# Altium PCB balenaFin_v1_x_x.PcbDoc (part 5 of 7)
Units mm, origin at the board's own origin, x right, y up, seen from the top; angles counter-clockwise.
Board outline 90.03 x 90.03 mm, 8 copper layers (TOP, GND, INT1, INT2, INT3, INT4, POWER, BOTTOM), stack 1.496 mm thick; 502 components, 409 nets, 2324 pads, 1048 vias.
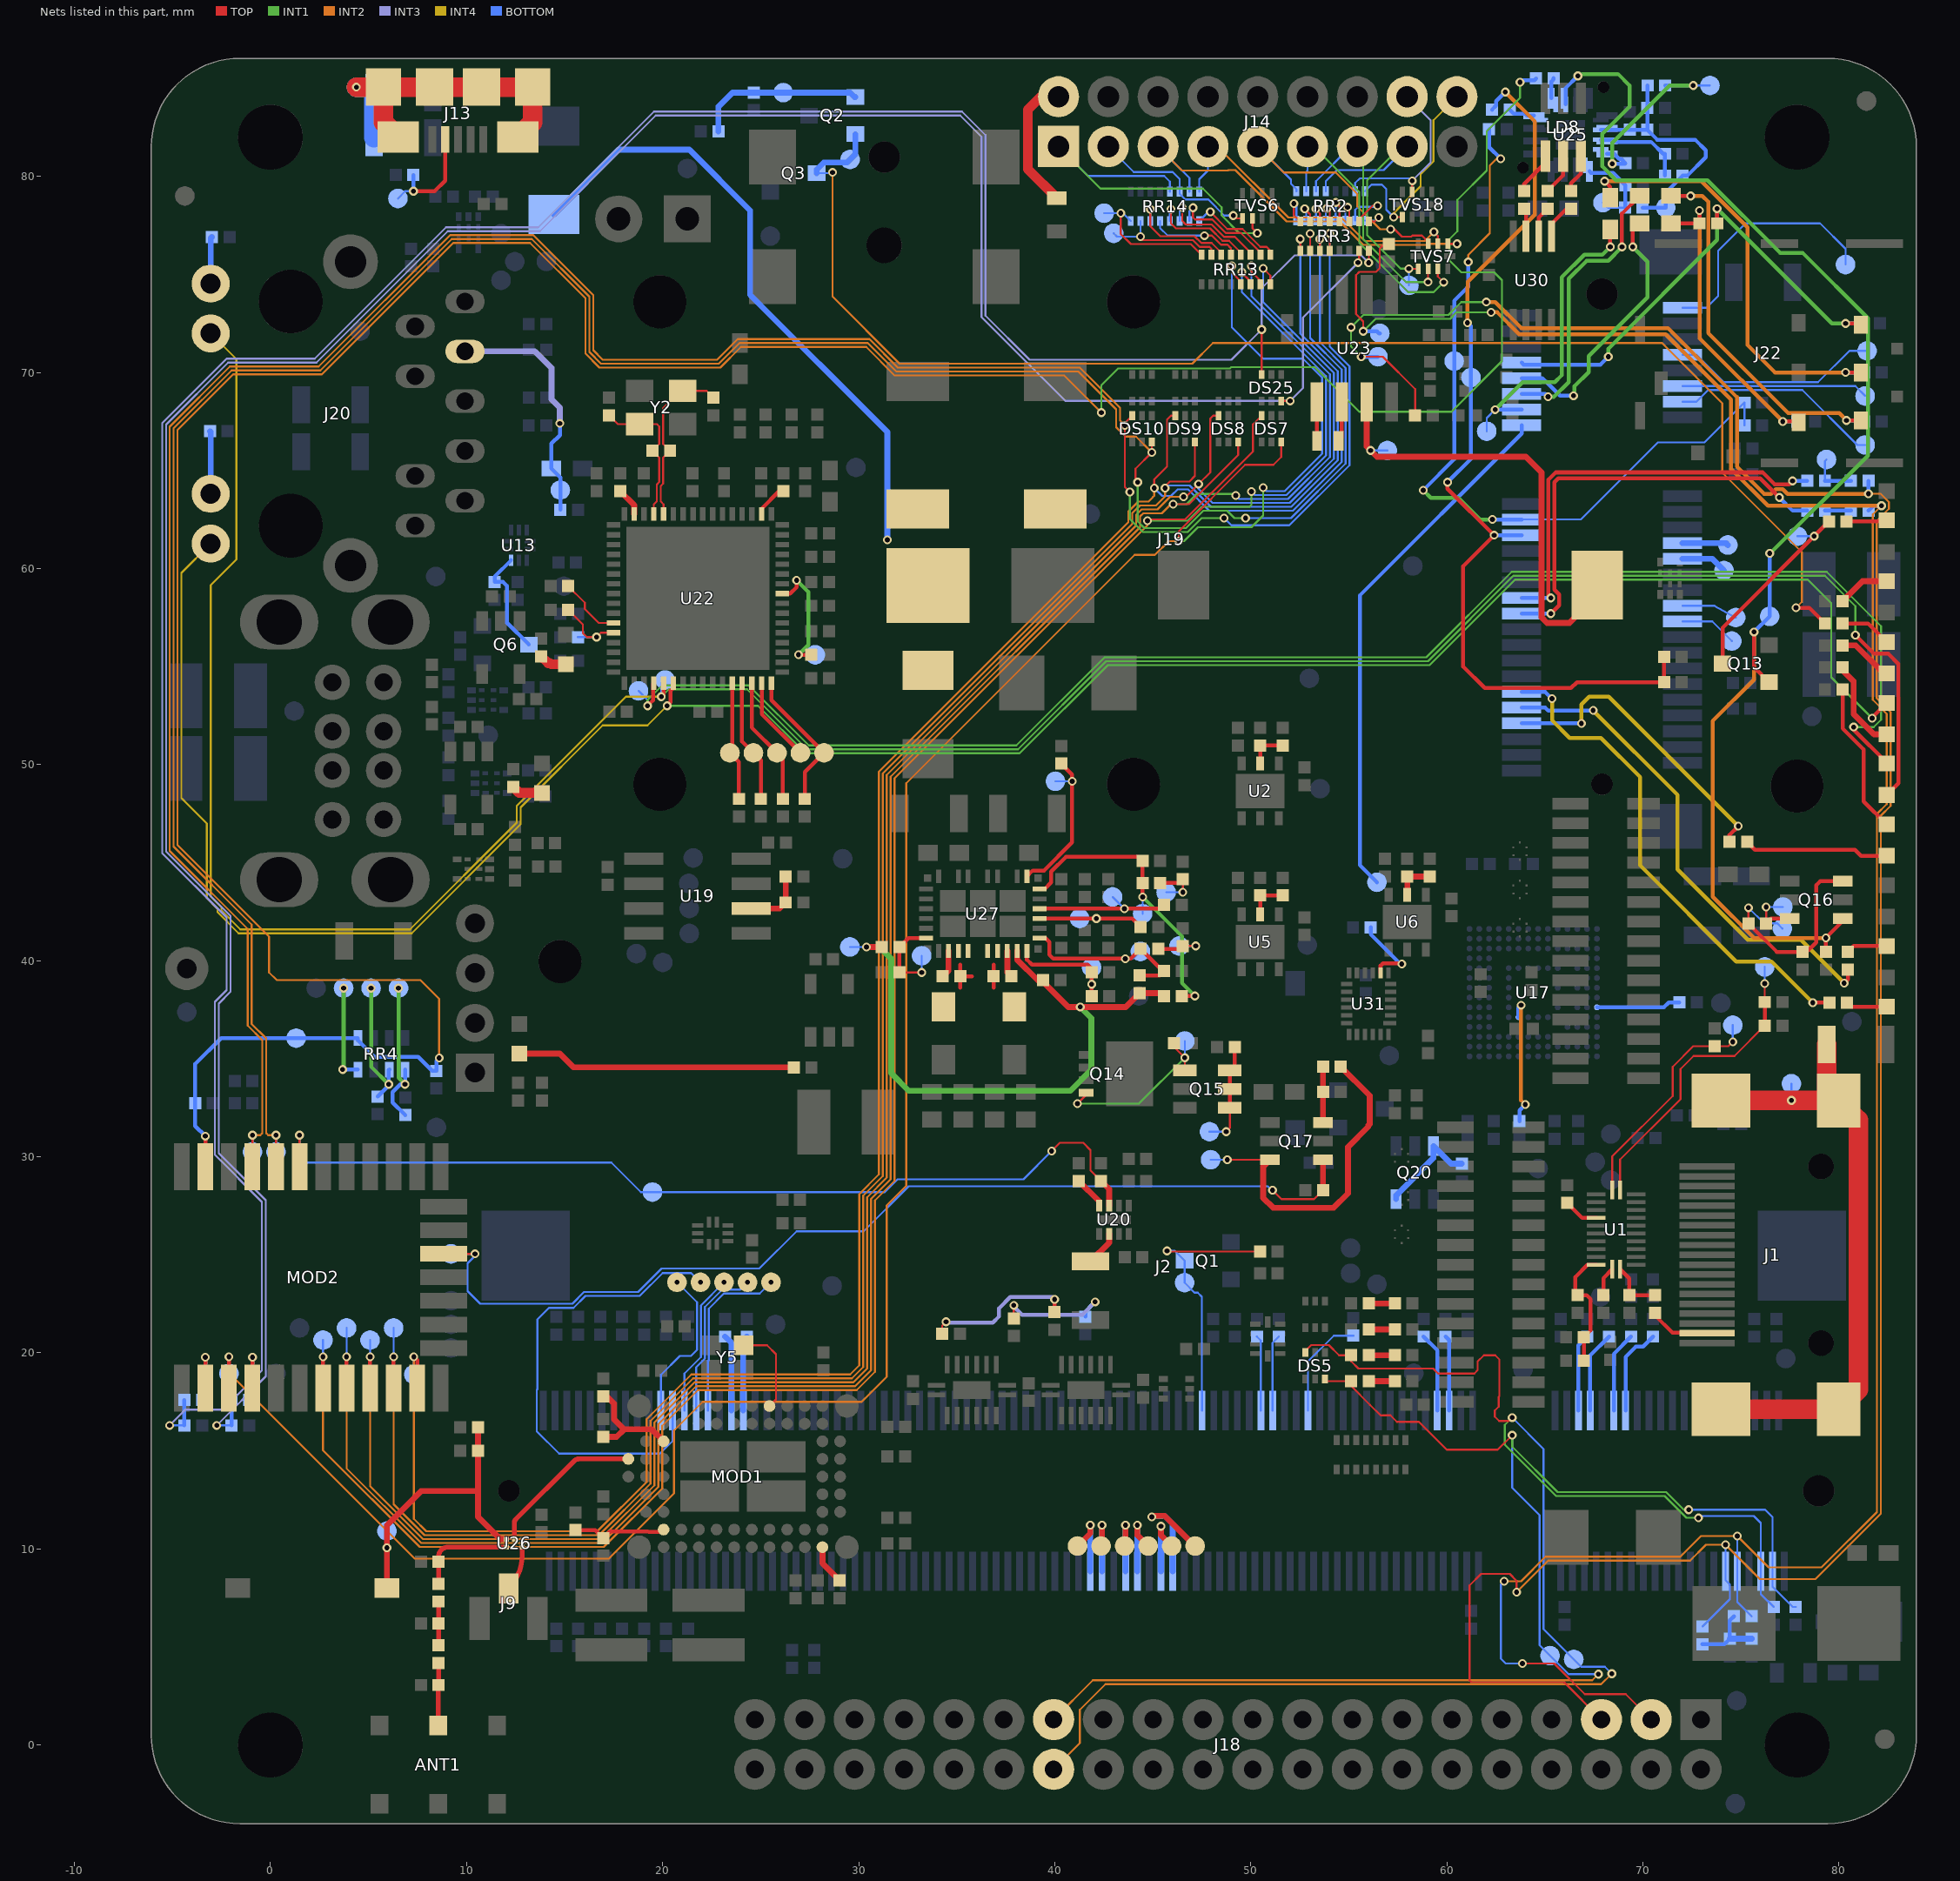
[diagram p11: the nets of this part, all layers, seen from the top]

## Via types
v1: diameter 0.45, hole 0.254, TOP to BOTTOM, tented both sides, 1048 vias

## Nets (pads, with @x,y where several pads share a name; then routed paths per layer and width w, separated by ;. In a path a pad name is that pad's centre, name@x,y a point inside that pad or via, vN(x,y) a via of type N, cw(c..) or ccw(c..) an arc to the next point about the centre after c; other vN are vias at no path point) (continued)
I2C0_SCL: DS5.6 J2.5 J18.28 pad.1@66.469,4.369 R4.1 R86.2 | length 83.9
  TOP w0.1: DS5.6@52.78,20.015 52.78,20.102 53.078,20.4 53.982,20.4 54.502,19.88 R86.2@55.12,19.88 55.12,19.57 55.49,19.2 59.3,19.2 59.55,18.95 61.4,18.95 61.57,19.12 61.57,19.56 61.885,19.875 62.46,19.875 62.68,19.655 62.68,17.798 62.637,17.755 62.637,17.253 62.444,17.06 62.444,16.749 62.664,16.529 63.159,16.529 v1(63.33,16.7)
  INT1 w0.1: v1(63.33,16.7) 62.955,16.325 62.955,15.312 65.567,12.7 71.1,12.7 72.215,11.585 v1(72.83,11.585)
  INT2 w0.1: J18.28@39.94,-1.24 41.28,0.1 41.28,1.797 42.583,3.1 67.87,3.1 v1(68.41,3.64)
  BOTTOM w0.1: v1(63.33,16.7) 64.93,15.1 64.93,5.907 pad.1@66.469,4.369 66.847,3.99 68.06,3.99 v1(68.41,3.64) ; v1(72.83,11.585) 72.92,11.675 75.655,11.675 76.01,11.32 J2.5@76.01,8.86 76.01,7.7 R4.1@76.67,7.04
I2C0_SDA: DS5.3 J2.3 J18.27 pad.1@65.26,4.56 R5.1 R88.2 | length 75.6
  TOP w0.1: DS5.3@53.78,18.665 53.885,18.56 R88.2@55.12,18.56 55.12,18.31 56.08,17.35 56.62,16.81 57.123,16.81 57.453,16.48 58.567,16.48 59.987,15.06 62.59,15.06 v1(63.33,15.8)
  INT1 w0.1: v1(63.33,15.8) 63.33,15.22 65.65,12.9 71.183,12.9 72.082,12 v1(72.33,12)
  INT2 w0.1: J18.27@39.94,1.3 41.94,3.3 67.41,3.3 v1(67.725,3.615)
  BOTTOM w0.1: v1(63.33,15.8) 63.33,13.124 64.73,11.724 64.73,5.09 pad.1@65.26,4.56 66.205,3.615 v1(67.725,3.615) ; v1(72.33,12) 76.23,12 76.61,11.62 J2.3@76.61,8.86 76.61,8.073 77.643,7.04 R5.1@77.79,7.04
I2C1_SCL: J2.11 J18.5 pad.1@56.482,70.8 R1.1 R143.2 R284.2 | length 137.1
  TOP w0.1: v1(55.63,70.8) 56.73,70.8 58.38,69.15 R284.2@58.38,67.8 ; v1(63.555,7.8) 63.555,8.375 63.205,8.725 61.743,8.725 61.16,8.142 61.16,3.3 61.26,3.2 65.98,3.2 J18.5@67.88,1.3
  INT1 w0.1: v1(55.63,70.8) 55.108,71.322 v1(55.108,72.3) 55.741,72.933 60.081,72.933 60.737,73.59 v1(62.005,73.59)
  INT2 w0.1: v1(63.555,7.8) 65.155,9.4 72.4,9.4 73.212,10.212 v1(74.21,10.212) 75.962,8.46 78.79,8.46 82.13,11.8 82.13,11.966 82.13,47.4 82.63,47.9 82.63,52.672 81.915,53.386 81.915,62.423 82.537,63.045 82.537,63.393 82.122,63.808 v1(81.5,63.808)
  INT2 w0.2: v1(62.005,73.59) 62.464,73.59 63.804,72.25 71.28,72.25 74.79,68.74 74.79,65.201 76.183,63.808 76.537,63.808 76.779,64.05 77.131,64.05 77.373,63.808 v1(81.5,63.808)
  BOTTOM w0.1: R1.1@73.03,6.04 74.43,7.44 74.43,8.183 74.21,8.403 J2.11@74.21,8.86 v1(74.21,10.212)
  BOTTOM w0.2: v1(55.63,70.8) pad.1@56.482,70.8 ; v1(81.5,63.808) R143.2@81.5,64.47
I2C1_SDA: J2.9 J18.3 pad.1@56.576,71.994 R3.1 R145.2 R285.1 | length 131.7
  TOP w0.1: v1(55.73,72.1) 55.73,72.6 55.36,72.97 55.36,74.958 55.53,75.128 56.388,75.128 56.57,75.31 56.57,76.31 56.81,76.55 R285.1@57.03,76.55 ; v1(63.85,4.16) 65.47,4.16 67.03,2.6 69.12,2.6 J18.3@70.42,1.3
  INT1 w0.1: v1(55.73,72.1) 56.364,72.733 60.164,72.733 60.495,73.065 v1(62.253,73.065)
  INT2 w0.1: v1(62.915,8.35) 63.78,8.35 65.03,9.6 71.9,9.6 72.96,10.66 v1(74.81,10.66) 76.41,9.06 79.107,9.06 81.93,11.883 81.93,47.483 82.43,47.983 82.43,52.589 81.715,53.304 81.715,62.753 v1(82.162,63.2)
  INT2 w0.2: v1(62.253,73.065) 62.565,73.065 63.68,71.95 71.156,71.95 74.49,68.615 74.49,65.076 76.367,63.2 v1(82.162,63.2)
  BOTTOM w0.1: v1(62.915,8.35) 62.747,8.183 62.747,4.408 62.995,4.16 v1(63.85,4.16) ; v1(74.81,10.66) J2.9@74.81,8.86 74.81,7.3 R3.1@75.54,6.57
  BOTTOM w0.2: v1(55.73,72.1) 56.424,72.1 56.53,71.994 pad.1@56.576,71.994 ; R145.2@81.5,62.95 81.75,63.2 v1(82.162,63.2)
JTCK: J2.180 TP63.1 | length 8.1
  BOTTOM w0.1: J2.180@19.91,17.06 19.91,18.88 20.875,19.845 21.445,19.845 21.75,20.15 21.75,22.58 v1(20.73,23.6)
JTDI: J2.174 TP60.1 | length 8.2
  BOTTOM w0.1: J2.174@21.71,17.06 21.71,19.267 22.15,19.707 22.15,22.337 23.038,23.225 23.955,23.225 v1(24.33,23.6)
JTDO: J2.178 TP62.1 | length 24.4
  BOTTOM w0.1: J2.178@20.51,17.06 20.51,15.51 19.86,14.86 14.723,14.86 13.585,15.998 13.585,18.122 13.61,18.147 13.61,21.702 14.198,22.29 15.46,22.29 16.07,22.9 18.83,22.9 20,24.07 21.46,24.07 v1(21.93,23.6)
JTMS: J2.176 TP61.1 | length 7.4
  BOTTOM w0.1: J2.176@21.11,17.06 21.11,18.95 21.95,19.79 21.95,22.42 v1(23.13,23.6)
LED-B: R123.2 U30.3 | length 1.4
  TOP w0.2: R123.2@63.93,78.35 64.03,78.25 U30.3@64.03,76.95
LED-G: R121.2 U30.2 | length 1.6
  TOP w0.2: U30.2@64.68,76.95 64.68,77.9 R121.2@65.13,78.35
LED-R: R119.2 U30.1 | length 1.9
  TOP w0.2: U30.1@65.33,76.95 65.33,77.57 66.11,78.35 R119.2@66.33,78.35
LED_LINK: J20.12 LD12.1 pad.1@20.125,54.316 U22.21 | length 138.5
  TOP w0.2: v1(19.93,53.463) 20.05,53.583 U22.21@20.05,54.16 ; v1(80.83,56.6) 81.78,55.65 82.513,55.65 83.03,55.133 83.03,49.05 LD12.1@82.43,48.45
  INT1 w0.1: v1(19.93,53.463) 20.313,53.846 24.301,53.846 27.369,50.778 38.125,50.778 42.622,55.275 59.032,55.275 63.387,59.63 79.283,59.63 80.83,58.083 v1(80.83,56.6)
  INT4 w0.1: J20.12@-3.05,71.99 -1.74,70.68 -1.74,60.46 -3.05,59.15 -3.05,43.271 -2.506,42.727 -2.506,42.566 -1.54,41.6 7.117,41.6 12.56,47.043 12.56,47.9 18.123,53.463 v1(19.93,53.463)
  BOTTOM w0.1: v1(19.93,53.463) 19.93,54.121 pad.1@20.125,54.316
LED_SPEED: J20.14 LD13.1 U22.22 | length 122.5
  TOP w0.2: v1(20.23,53) 20.41,53.18 20.41,53.78 20.55,53.92 U22.22@20.55,54.16 ; v1(81.685,52.365) 81.685,52.405 LD13.1@82.43,53.15
  INT1 w0.1: v1(20.23,53) 24.864,53 27.286,50.578 38.208,50.578 42.705,55.075 59.115,55.075 63.47,59.43 78.4,59.43 79.6,58.23 79.6,54.45 v1(81.685,52.365)
  INT4 w0.1: J20.14@-3.05,61.27 -4.54,59.78 -4.54,48.29 -3.25,47 -3.25,43.188 -2.706,42.644 -2.706,42.483 -1.623,41.4 7.2,41.4 12.76,46.96 12.76,47.817 16.943,52 19.23,52 v1(20.23,53)
MCU-GPIO0: DS7.3 MOD2.3 pad.1@-2.12,18.948 RR13.5 | length 128.1
  TOP w0.1: v1(46.33,61.4) 46.33,61.904 49.711,65.285 51.145,65.285 51.55,65.69 DS7.3@51.55,66.445 ; v1(49.03,75.425) 49.03,75.1 49.49,74.64 RR13.5@49.49,74.5
  TOP w0.2: MOD2.3@-2.12,18.2 v1(-2.12,19.8)
  INT1 w0.1: v1(46.33,61.4) 46.596,61.4 47.296,62.1 50.03,62.1 50.63,62.7 v1(50.63,64.125)
  INT2 w0.1: v1(-2.12,19.8) -2.12,18.982 7.362,9.5 17.247,9.5 20.58,12.833 20.58,16.033 22.047,17.5 30.147,17.5 31.43,18.783 31.43,27.52 32.43,28.52 32.43,49.053 44.077,60.7 45.109,60.7 45.809,61.4 v1(46.33,61.4)
  BOTTOM w0.1: pad.1@-2.12,18.948 v1(-2.12,19.8) ; v1(49.03,75.425) 49.03,72.3 50.63,70.7 52.662,70.7 53.63,69.732 53.63,65.851 51.729,63.95 50.805,63.95 v1(50.63,64.125)
MCU-GPIO0_EXT: J14.1 RR14.13 TVS6.7 | length 20
  TOP w0.1: TVS6.7@50.08,77.86 50.08,77.35 v1(50.33,77.1)
  INT1 w0.1: J14.1@40.19,81.52 42.335,79.375 47.355,79.375 47.36,79.37 47.561,79.37 48.505,78.426 48.505,78.008 49.413,77.1 v1(50.33,77.1)
  BOTTOM w0.1: J14.1@40.19,81.52 41.69,80.02 45.582,80.02 45.87,79.732 RR14.13@45.87,79.22
MCU-GPIO1: DS7.6 MOD2.7 pad.1@2.68,20.652 RR13.6 | length 123.9
  TOP w0.1: v1(44.73,62.439) 44.793,62.501 46.644,62.501 50.105,65.962 50.105,67.35 DS7.6@50.55,67.795 ; v1(49.545,75.115) 49.545,75.085 49.99,74.64 RR13.6@49.99,74.5
  TOP w0.2: MOD2.7@2.68,18.2 v1(2.68,19.8)
  INT1 w0.1: v1(44.73,62.439) 46.786,62.439 47.497,63.15 49.93,63.15 50.03,63.25 v1(50.03,63.925)
  INT2 w0.1: v1(2.68,19.8) 2.68,15.031 7.611,10.1 16.998,10.1 19.98,13.082 19.98,16.282 21.798,18.1 29.898,18.1 30.83,19.032 30.83,27.768 31.83,28.768 31.83,49.302 44.73,62.202 v1(44.73,62.439)
  BOTTOM w0.1: v1(2.68,19.8) pad.1@2.68,20.652 ; v1(49.545,75.115) 49.545,74.099 53.83,69.815 53.83,65.768 51.812,63.75 50.205,63.75 v1(50.03,63.925)
MCU-GPIO1_EXT: J14.3 RR14.14 TVS6.6 | length 8.8
  TOP w0.1: v1(49.103,78) 49.243,77.86 TVS6.6@49.58,77.86
  BOTTOM w0.1: J14.3@42.73,81.52 44.03,80.22 46.01,80.22 46.37,79.86 RR14.14@46.37,79.22 46.37,79.108 46.658,78.82 47.828,78.82 48.648,78 v1(49.103,78)
MCU-GPIO2: DS8.3 MOD2.8 pad.1@3.88,21.27 RR13.7 | length 120.5
  TOP w0.1: v1(46.039,63.284) 46.844,63.284 49.35,65.79 DS8.3@49.35,66.445 ; v1(50.03,75.425) 50.03,75.135 50.49,74.675 RR13.7@50.49,74.5
  TOP w0.2: MOD2.8@3.88,18.2 v1(3.88,19.8)
  INT1 w0.1: v1(46.039,63.284) 46.72,63.284 47.237,63.8 49.155,63.8 v1(49.23,63.725)
  INT2 w0.1: v1(3.88,19.8) 3.88,14.114 7.694,10.3 16.916,10.3 19.78,13.164 19.78,16.365 21.716,18.3 29.816,18.3 30.63,19.115 30.63,27.851 31.63,28.851 31.63,49.385 44.355,62.109 44.355,62.655 44.513,62.814 45.029,62.814 45.031,62.817 45.463,62.817 45.93,63.284 v1(46.039,63.284)
  BOTTOM w0.1: v1(3.88,19.8) pad.1@3.88,21.27 ; v1(49.23,63.725) 49.405,63.55 51.895,63.55 54.03,65.685 54.03,69.897 50.03,73.897 v1(50.03,75.425)
MCU-GPIO2_EXT: J14.5 RR14.15 TVS7.1 | length 20.8
  TOP w0.1: TVS7.1@60.04,76.56 v1(60.517,76.56)
  INT2 w0.1: J14.5@45.27,81.52 46.49,80.3 48.835,80.3 48.855,80.32 49.21,80.32 51.83,77.7 54.53,77.7 55.73,76.5 58.953,76.5 59.013,76.56 v1(60.517,76.56)
  BOTTOM w0.1: J14.5@45.27,81.52 46.87,79.92 RR14.15@46.87,79.22
MCU-GPIO3: DS8.6 MOD2.9 pad.1@5.08,20.652 RR13.8 | length 118.6
  TOP w0.1: v1(46.565,63.659) 46.689,63.659 47.33,64.3 47.33,64.307 v1(47.337,64.307) 47.93,64.9 47.93,67.647 48.078,67.795 DS8.6@48.35,67.795 ; v1(50.63,75.3) 50.99,74.94 RR13.8@50.99,74.5
  TOP w0.2: MOD2.9@5.08,18.2 v1(5.08,19.8)
  INT2 w0.1: v1(5.08,19.8) 5.08,13.197 7.777,10.5 16.833,10.5 19.58,13.247 19.58,16.447 21.633,18.5 29.733,18.5 30.43,19.197 30.43,27.934 31.43,28.934 31.43,49.467 44.155,62.192 44.155,62.738 44.43,63.014 44.946,63.014 44.949,63.017 45.241,63.017 45.883,63.659 v1(46.565,63.659)
  BOTTOM w0.1: v1(5.08,19.8) pad.1@5.08,20.652 ; v1(47.337,64.307) 47.337,64.059 48.046,63.35 51.977,63.35 54.23,65.603 54.23,69.98 50.63,73.58 v1(50.63,75.3)
MCU-GPIO3_EXT: J14.7 RR14.16 TVS7.2 | length 16.9
  TOP w0.1: v1(59.338,77.169) 59.338,77.16 59.54,76.959 TVS7.2@59.54,76.56
  INT2 w0.1: J14.7@47.81,81.52 48.293,81.52 51.913,77.9 54.613,77.9 55.813,76.7 58.87,76.7 v1(59.338,77.169)
  BOTTOM w0.1: RR14.16@47.37,79.22 47.37,79.853 47.81,80.293 J14.7@47.81,81.52
MCU-GPIO4: DS9.3 MOD2.10 pad.1@6.28,21.27 RR3.1 | length 118.8
  TOP w0.1: v1(45.626,64.1) 45.626,64.196 45.867,64.437 46.867,64.437 47.15,64.72 DS9.3@47.15,66.445 ; RR3.1@52.52,76.2 v1(52.52,76.802)
  TOP w0.2: MOD2.10@6.28,18.2 v1(6.28,19.8)
  INT2 w0.1: v1(6.28,19.8) 6.28,12.28 7.86,10.7 16.75,10.7 19.38,13.33 19.38,16.53 21.55,18.7 29.65,18.7 30.23,19.28 30.23,28.017 31.23,29.017 31.23,49.55 43.955,62.275 43.955,62.821 44.347,63.214 44.863,63.214 44.866,63.217 45.158,63.217 45.623,63.682 45.623,64.097 v1(45.626,64.1)
  BOTTOM w0.1: v1(6.28,19.8) pad.1@6.28,21.27 ; v1(45.626,64.1) 45.76,64.234 46.879,64.234 47.963,63.15 52.06,63.15 54.43,65.52 54.43,70.063 52.52,71.973 v1(52.52,76.802)
MCU-GPIO4_EXT: J14.9 RR2.9 TVS7.3 | length 14.3
  TOP w0.1: v1(57.13,77.3) 57.33,77.3 57.705,76.925 58.185,76.925 58.235,76.975 58.727,76.975 59.04,76.662 TVS7.3@59.04,76.56
  INT2 w0.1: J14.9@50.35,81.52 51.67,80.2 54.33,80.2 55.43,79.1 55.43,78.462 56.592,77.3 v1(57.13,77.3)
  BOTTOM w0.1: J14.9@50.35,81.52 52.045,79.825 52.045,79.615 52.32,79.34 RR2.9@52.32,79.24
MCU-GPIO5: DS9.6 MOD2.11 pad.1@7.309,18.9 RR3.2 | length 119.3
  TOP w0.1: v1(45.076,64.102) 45.076,64.546 45.73,65.2 45.73,67.6 45.925,67.795 DS9.6@46.15,67.795 ; RR3.2@53.02,76.2 v1(53.02,77.075)
  TOP w0.2: v1(7.309,19.8) 7.48,19.629 MOD2.11@7.48,18.2
  INT2 w0.1: v1(7.309,19.8) 7.309,11.534 7.943,10.9 16.667,10.9 19.18,13.413 19.18,16.613 21.467,18.9 29.567,18.9 30.03,19.363 30.03,28.1 31.03,29.1 31.03,49.633 43.755,62.358 43.755,62.904 44.265,63.414 44.78,63.414 44.999,63.633 44.999,63.643 45.073,63.717 45.073,64.099 v1(45.076,64.102)
  BOTTOM w0.1: pad.1@7.309,18.9 v1(7.309,19.8) ; v1(45.076,64.102) 45.479,63.7 45.93,63.7 46.264,64.034 46.796,64.034 47.88,62.95 52.143,62.95 54.63,65.437 54.63,70.146 53.02,71.756 v1(53.02,77.075)
MCU-GPIO5_EXT: J14.11 RR2.10 TVS7.8 | length 14.9
  TOP w0.1: TVS7.8@59.54,75.28 59.54,74.89 v1(59.83,74.6)
  INT1 w0.1: J14.11@52.89,81.52 53.21,81.52 55.53,79.2 55.53,76.6 58.03,74.1 59.33,74.1 v1(59.83,74.6)
  BOTTOM w0.1: RR2.10@52.82,79.24 52.82,80.223 52.89,80.293 J14.11@52.89,81.52
MCU-GPIO6: DS10.3 MOD2.27 pad.1@0.28,30.248 RR3.3 | length 131.8
  TOP w0.1: MOD2.27@0.28,29.5 v1(0.28,31.1) ; v1(44.23,64.4) 44.12,64.51 44.12,65.09 v1(44.95,65.92) DS10.3@44.95,66.445 ; RR3.3@53.52,76.2 v1(53.52,76.802)
  INT1 w0.1: v1(44.23,64.4) 44.23,62.408 44.575,62.064 46.694,62.064 47.58,62.95 48.785,62.95 49.16,62.575 v1(49.73,62.575)
  INT2 w0.1: v1(0.28,31.1) -0.12,31.1 -0.22,31.2 -0.22,36.033 -0.96,36.773 -0.96,41.84 -4.94,45.82 -4.94,67.147 -1.987,70.1 2.543,70.1 9.243,76.8 13.322,76.8 16.26,73.862 16.26,71.046 16.856,70.45 22.864,70.45 23.914,71.5 30.464,71.5 31.914,70.05 41.197,70.05 43.13,68.117 43.13,67.21 43.615,66.725 44.145,66.725 v1(44.95,65.92)
  BOTTOM w0.1: pad.1@0.28,30.248 v1(0.28,31.1) ; v1(49.73,62.575) 52.051,62.575 54.83,65.354 54.83,70.229 53.52,71.539 v1(53.52,76.802)
MCU-GPIO6_EXT: J14.13 RR2.11 TVS7.7 | length 13.1
  TOP w0.1: v1(59.04,74.61) TVS7.7@59.04,75.28
  INT1 w0.1: J14.13@55.43,81.52 55.73,81.22 55.73,76.8 57.92,74.61 v1(59.04,74.61)
  BOTTOM w0.1: RR2.11@53.32,79.24 53.32,79.752 55.088,81.52 J14.13@55.43,81.52
MCU-GPIO7: DS10.6 MOD2.28 pad.1@-0.92,30.248 RR3.4 | length 132.5
  TOP w0.1: MOD2.28@-0.92,29.5 v1(-0.92,31.1) ; v1(43.83,63.9) 43.57,64.16 v1(43.57,67.3) 43.57,67.415 DS10.6@43.95,67.795 ; RR3.4@54.02,76.2 v1(54.02,77.09)
  INT1 w0.1: v1(43.83,63.9) 43.83,62.525 44.492,61.864 46.777,61.864 47.488,62.575 v1(48.63,62.575)
  INT2 w0.1: v1(-0.92,31.1) -0.52,31.1 -0.42,31.2 -0.42,35.95 -1.16,36.69 -1.16,41.62 -5.14,45.6 -5.14,67.23 -2.07,70.3 2.46,70.3 9.16,77 13.405,77 16.46,73.945 16.46,71.129 16.939,70.65 22.781,70.65 23.831,71.7 30.547,71.7 31.997,70.25 41.28,70.25 43.33,68.2 43.33,67.54 v1(43.57,67.3)
  BOTTOM w0.1: pad.1@-0.92,30.248 v1(-0.92,31.1) ; v1(48.63,62.575) 49.005,62.2 51.959,62.2 55.03,65.271 55.03,70.312 54.02,71.322 v1(54.02,77.09)
MCU-GPIO7_EXT: J14.15 pad.1@58.063,74.437 RR2.12 TVS7.6 | length 15.1
  TOP w0.1: v1(58.063,75.289) 58.072,75.28 TVS7.6@58.54,75.28
  INT1 w0.1: J14.15@57.97,81.52 57.65,81.52 55.93,79.8 55.93,77 57.641,75.289 v1(58.063,75.289)
  BOTTOM w0.1: RR2.12@53.82,79.24 53.82,79.752 54.388,80.32 56.77,80.32 J14.15@57.97,81.52 ; pad.1@58.063,74.437 v1(58.063,75.289)
MCU-GPIO8: DS25.3 R313.2 R314.1 RR3.7 | length 141.6
  TOP w0.1: DS25.3@51.55,68.545 v1(52.005,68.545) ; v1(55.46,75.598) 55.52,75.658 RR3.7@55.52,76.2
  INT3 w0.1: v1(-2.74,16.3) -0.24,18.8 -0.24,27.783 -2.64,30.183 -2.64,37.817 -2.04,38.417 -2.04,42.283 -5.32,45.563 -5.32,67.337 -2.157,70.5 2.343,70.5 9.043,77.2 13.743,77.2 19.643,83.1 35.177,83.1 36.26,82.017 36.26,72.817 40.532,68.545 v1(52.005,68.545) 52.66,69.2 52.66,72.798 v1(55.46,75.598)
  BOTTOM w0.1: v1(-2.74,16.3) R314.1@-1.99,16.3
  BOTTOM w0.2: R314.1@-1.99,16.3 R313.2@-1.99,17.6
MCU-GPIO8_EXT: J14.16 RR2.15 TVS18.3 | length 9.2
  TOP w0.1: TVS18.3@58.23,79.2 v1(58.23,79.77)
  INT3 w0.1: J14.16@57.97,84.06 59.17,82.86 59.17,80.71 v1(58.23,79.77)
  BOTTOM w0.1: RR2.15@55.32,79.24 55.32,79.66 55.56,79.9 58.1,79.9 v1(58.23,79.77)
MCU-GPIO9: DS25.6 R312.2 R315.2 RR3.8 | length 144.1
  TOP w0.1: DS25.6@50.55,69.895 v1(50.55,72.19) ; v1(56.011,75.589) 56.02,75.598 RR3.8@56.02,76.2
  INT3 w0.1: v1(-5.14,16.3) -4.34,17.1 -2.44,17.1 -0.44,19.1 -0.44,27.7 -2.84,30.1 -2.84,37.9 -2.24,38.5 -2.24,42.2 -5.52,45.48 -5.52,67.42 -2.24,70.7 2.26,70.7 8.96,77.4 13.66,77.4 19.56,83.3 35.26,83.3 36.46,82.1 36.46,72.9 38.71,70.65 49.01,70.65 v1(50.55,72.19) 50.55,74.29 52.233,75.973 55.627,75.973 v1(56.011,75.589)
  BOTTOM w0.1: v1(-5.14,16.3) R315.2@-4.39,16.3
  BOTTOM w0.2: R315.2@-4.39,16.3 R312.2@-4.39,17.6
MCU-GPIO9_EXT: J14.18 RR2.16 TVS18.6 | length 10.8
  TOP w0.1: v1(57.28,77.92) TVS18.6@57.73,77.92
  INT4 w0.1: v1(57.28,77.92) 57.28,78.12 58.66,79.5 58.66,80.11 59.31,80.76 59.31,82.86 J14.18@60.51,84.06
  BOTTOM w0.1: RR2.16@55.82,79.24 56.155,79.575 56.685,79.575 56.904,79.357 56.904,78.296 v1(57.28,77.92)
NetANT1_2: ANT1.2 C60.1 C202.2 | length 3.2
  TOP w0.24: ANT1.2@8.56,1 8.56,3.05 C60.1@8.57,3.06 C202.2@8.57,4.18
NetBAT1_1: BAT1.1 pad.1@56.962,66.02 U23.3 | length 24.1
  TOP w0.3: U23.3@55.91,68.49 55.91,66.22 v1(56.11,66.02) 56.43,65.7 64.03,65.7 64.825,64.905 64.825,57.503 65.103,57.225 66.255,57.225 67.7,58.67 BAT1.1@67.7,59.19
  BOTTOM w0.1: v1(56.11,66.02) pad.1@56.962,66.02
NetC3_1: C3.1 pad.1@76.21,39.682 R2.1 U1.23 | length 15.6
  TOP w0.1: U1.23@68.835,28.315 68.835,29.859 71.91,32.934 71.91,34.47 72.58,35.14 74.66,35.14 C3.1@76.21,36.69 ; R2.1@76.21,37.89 v1(76.21,38.83)
  TOP w0.2: C3.1@76.21,36.69 R2.1@76.21,37.89
  BOTTOM w0.1: v1(76.21,38.83) pad.1@76.21,39.682
NetC8_2: C8.2 J1.21 J1.22 J1.23 J1.24 pad.1@77.57,33.727 | length 32.5
  TOP w1: J1.24@73.98,17.125 J1.21@79.98,17.125 80.98,18.125 80.98,31.875 J1.22@79.98,32.875 ; J1.23@73.98,32.875 v1(77.57,32.875) J1.22@79.98,32.875 ; C8.2@79.37,35.73 79.37,33.485 J1.22@79.98,32.875
  BOTTOM w0.1: v1(77.57,32.875) pad.1@77.57,33.727
NetC9_1: C9.1 R243.2 R244.2 U1.10 | length 6.3
  TOP w0.2: R244.2@66.98,19.6 R243.2@66.98,20.8 67.33,21.15 67.33,22.74 67.13,22.94 C9.1@66.66,22.94 66.555,23.045 66.555,23.876 67.169,24.49 U1.10@67.61,24.49
NetC10_1: C10.1 L1.1 U1.12 | length 2.8
  TOP w0.2: U1.12@68.835,24.265 69.3,23.8 C10.1@69.3,22.94 L1.1@70.62,22.94
NetC89_2: C89.2 J13.6 J13.7 J13.8 J13.9 J13.10 J13.11 R117.2 | length 18
  TOP w1: v1(4.38,84.55) J13.11@5.76,84.55 ; J13.7@6.51,82 5.76,82.75 J13.11@5.76,84.55 ; J13.6@12.61,82 13.36,82.75 J13.10@13.36,84.55 J13.8@10.76,84.55 J13.9@8.36,84.55 J13.11@5.76,84.55
  BOTTOM w1: v1(4.38,84.55) 4.99,84.55 C89.2@5.28,84.26 R117.2@5.28,81.97
NetC135_1: C135.1 J20.3 pad.1@14.78,64 R200.1 | length 12.5
  INT3 w0.3: J20.3@9.92,71.075 13.485,71.075 14.33,70.23 14.33,68.63 14.76,68.2 v1(14.76,67.4)
  BOTTOM w0.2: v1(14.76,67.4) 14.76,66.8 14.33,66.37 C135.1@14.33,65.1 14.78,64.65 pad.1@14.78,64 R200.1@14.78,63
NetC147_1: C147.1 R204.1 U22.60 Y2.1 | length 8.9
  TOP w0.1: U22.60@20.05,62.78 20.05,63.273 19.9,63.423 19.9,64.2 20.03,64.33 20.03,65.65 R204.1@20.38,66 20.03,66.35 20.03,68.18 20.91,69.06 Y2.1@21.03,69.06 22.24,69.06 C147.1@22.59,68.71
NetC148_1: C148.1 R204.2 U22.61 Y2.3 | length 7.7
  TOP w0.1: C148.1@17.27,67.81 17.72,67.36 Y2.3@18.83,67.36 19.71,67.36 19.83,67.24 19.83,66.35 R204.2@19.48,66 19.83,65.65 19.83,64.413 19.7,64.283 19.7,63.423 19.55,63.273 U22.61@19.55,62.78
NetC152_1: C152.1 U20.4 | length 1.7
  TOP w0.3: C152.1@41.23,28.77 42.27,27.73 U20.4@42.27,27.515
NetC153_1: C153.1 J19.8 J22.1 R188.2 | length 25.9
  TOP w0.2: R188.2@73.78,77.6 v1(73.78,78.35) ; v1(80.33,72.5) 81.035,72.5 J22.1@81.105,72.43
  INT1 w0.2: v1(68.23,70.8) 68.23,71.201 73.78,76.751 v1(73.78,78.35) 79.63,72.5 v1(80.33,72.5)
  BOTTOM w0.2: J19.8@63.81,70.5 63.91,70.4 67.83,70.4 v1(68.23,70.8) ; v1(80.33,72.5) C153.1@81.18,72.5
NetC154_1: C154.1 J22.2 R187.2 | length 22.5
  TOP w0.2: v1(68.045,79.752) 68.33,79.467 R187.2@68.33,78.9 ; v1(80.33,70) 81.095,70 J22.2@81.105,69.99
  INT2 w0.2: v1(68.045,79.752) 72.979,79.752 75.33,77.401 75.33,71.4 76.73,70 v1(80.33,70)
  BOTTOM w0.2: v1(80.33,70) C154.1@81.28,70
NetC155_1: C155.1 J22.3 R186.2 | length 19.3
  TOP w0.2: R186.2@71.43,79 v1(72.43,79) ; v1(80.38,67.55) J22.3@81.105,67.55
  INT2 w0.2: v1(72.43,79) 73.03,79 73.33,78.7 73.33,72 77.405,67.925 80.005,67.925 v1(80.38,67.55)
  BOTTOM w0.2: v1(80.38,67.55) 81.23,67.55 C155.1@81.28,67.5
NetC156_1: C156.1 J22.7 R185.2 R188.1 | length 16.2
  TOP w0.2: R185.2@71.43,77.6 R188.1@72.88,77.6 v1(72.88,78.25) ; v1(77.13,67.5) 77.885,67.5 J22.7@77.935,67.45
  INT2 w0.2: v1(72.88,78.25) 72.88,71.75 v1(77.13,67.5)
  BOTTOM w0.2: v1(77.13,67.5) C156.1@77.88,67.5
NetC187_2: C187.2 R205.1 U22.12 | length 4.2
  TOP w0.1: R205.1@15.18,57.9 15.93,57.15 15.93,56.7 16.13,56.5 v1(16.63,56.5) 16.85,56.72 U22.12@17.49,56.72
  BOTTOM w0.1: C187.2@15.68,56.5 v1(16.63,56.5)
NetC199_2: C199.2 MOD1.B9 | length 2.1
  TOP w0.3: MOD1.B9@28.15,10.09 28.15,9.27 C199.2@29.03,8.39
NetC201_1: C201.1 C202.1 L22.2 R224.2 | length 2.2
  TOP w0.24: C202.1@8.57,5.08 C201.1@8.57,6.2 R224.2@8.57,7.32
NetC204_1: C204.1 pad.1@71.16,78.4 R230.2 R233.2 R234.2 R235.1 R236.1 U25.14 | length 13.1
  BOTTOM w0.2: U25.14@67.85,82.369 69.089,82.369 69.1,82.38 R235.1@70.22,82.38 ; R234.2@69.98,78.4 pad.1@71.16,78.4 71.16,79.167 72.02,80.027 R230.2@72.02,80.03 72.261,80.03 73.205,80.974 73.205,81.326 72.661,81.87 70.727,81.87 70.22,82.377 R235.1@70.22,82.38 ; R233.2@70.23,84.633 70.23,83.51 R236.1@70.22,83.5 R235.1@70.22,82.38
NetC211_1: C211.1 J19.22 pad.1@61.23,69.74 R248.1 R250.1 | length 48.3
  TOP w0.2: v1(60.03,64.4) 60.03,64.075 v1(62.405,61.7) 60.83,60.125 60.83,55 61.93,53.9 66.33,53.9 66.63,54.2 C211.1@71.08,54.2 R248.1@71.08,55.5
  INT2 w0.2: v1(61.05,72.535) 61.05,74.33 61.067,74.347 61.067,74.631 64.48,78.044 64.48,82.8 v1(62.98,84.3)
  BOTTOM w0.1: v1@62.93,84.3 v1(62.98,84.3)
  BOTTOM w0.2: v1(60.03,64.4) 61.23,65.6 pad.1@61.23,69.74 61.23,72.355 v1(61.05,72.535) ; R250.1@62.3,83.4 62.51,83.61 62.51,83.83 v1(62.98,84.3) ; v1(62.405,61.7) J19.22@63.81,61.7

## Text inside footprints (layer, text, board x,y; h text height)
U17: PIN_NUMBER "G1" at 64.57,35.12 h0.1 r270; PIN_NUMBER "G2" at 64.57,35.62 h0.1 r270; PIN_NUMBER "G3" at 64.57,36.12 h0.1 r270; PIN_NUMBER "H5" at 64.07,37.12 h0.1 r270; PIN_NUMBER "J1" at 63.57,35.12 h0.1 r270; PIN_NUMBER "J2" at 63.57,35.62 h0.1 r270; PIN_NUMBER "J3" at 63.57,36.12 h0.1 r270; PIN_NUMBER "K5" at 63.07,37.12 h0.1 r270; PIN_NUMBER "C1" at 66.57,35.12 h0.1 r270; PIN_NUMBER "C2" at 66.57,35.62 h0.1 r270; PIN_NUMBER "P10" at 61.03,39.62 h0.1 r270; PIN_NUMBER "A7" at 67.57,38.12 h0.1 r270; PIN_NUMBER "C5" at 66.57,37.12 h0.1 r270; PIN_NUMBER "E5" at 65.57,37.12 h0.1 r270; PIN_NUMBER "E8" at 65.57,38.62 h0.1 r270; PIN_NUMBER "E9" at 65.57,39.12 h0.1 r270; PIN_NUMBER "E10" at 65.53,39.62 h0.1 r270; PIN_NUMBER "F10" at 65.03,39.62 h0.1 r270; PIN_NUMBER "G10" at 64.53,39.62 h0.1 r270; PIN_NUMBER "K6" at 63.07,37.62 h0.1 r270; PIN_NUMBER "K7" at 63.07,38.12 h0.1 r270; PIN_NUMBER "K10" at 63.03,39.62 h0.1 r270; PIN_NUMBER "J5" at 63.57,37.12 h0.1 r270; PIN_NUMBER "A6" at 67.57,37.62 h0.1 r270; PIN_NUMBER "A3" at 67.57,36.12 h0.1 r270; PIN_NUMBER "A4" at 67.57,36.62 h0.1 r270; PIN_NUMBER "A5" at 67.57,37.12 h0.1 r270; PIN_NUMBER "B2" at 67.07,35.62 h0.1 r270; PIN_NUMBER "A1" at 67.57,35.12 h0.1 r270; PIN_NUMBER "L1" at 62.57,35.12 h0.1 r270; PIN_NUMBER "L2" at 62.57,35.62 h0.1 r270; PIN_NUMBER "L3" at 62.57,36.12 h0.1 r270; PIN_NUMBER "M5" at 62.07,37.12 h0.1 r270; PIN_NUMBER "M6" at 62.07,37.62 h0.1 r270; PIN_NUMBER "N7" at 61.57,38.12 h0.1 r270; PIN_NUMBER "P7" at 61.07,38.12 h0.1 r270; PIN_NUMBER "B3" at 67.07,36.12 h0.1 r270; PIN_NUMBER "B4" at 67.07,36.62 h0.1 r270; PIN_NUMBER "B5" at 67.07,37.12 h0.1 r270; PIN_NUMBER "B6" at 67.07,37.62 h0.1 r270; PIN_NUMBER "A10" at 67.53,39.62 h0.1 r270; PIN_NUMBER "A11" at 67.53,40.12 h0.1 r270; PIN_NUMBER "A12" at 67.53,40.62 h0.1 r270; PIN_NUMBER "A13" at 67.53,41.12 h0.1 r270; PIN_NUMBER "A14" at 67.53,41.62 h0.1 r270; PIN_NUMBER "A2" at 67.57,35.62 h0.1 r270; PIN_NUMBER "A8" at 67.57,38.62 h0.1 r270; PIN_NUMBER "A9" at 67.57,39.12 h0.1 r270; PIN_NUMBER "B1" at 67.07,35.12 h0.1 r270; PIN_NUMBER "B10" at 67.03,39.62 h0.1 r270; PIN_NUMBER "B11" at 67.03,40.12 h0.1 r270; PIN_NUMBER "B12" at 67.03,40.62 h0.1 r270; PIN_NUMBER "B13" at 67.03,41.12 h0.1 r270; PIN_NUMBER "B14" at 67.03,41.62 h0.1 r270; PIN_NUMBER "B7" at 67.07,38.12 h0.1 r270; PIN_NUMBER "B8" at 67.07,38.62 h0.1 r270; PIN_NUMBER "B9" at 67.07,39.12 h0.1 r270; PIN_NUMBER "C10" at 66.53,39.62 h0.1 r270; PIN_NUMBER "C11" at 66.53,40.12 h0.1 r270; PIN_NUMBER "C12" at 66.53,40.62 h0.1 r270; PIN_NUMBER "C13" at 66.53,41.12 h0.1 r270; PIN_NUMBER "C14" at 66.53,41.62 h0.1 r270; PIN_NUMBER "C3" at 66.57,36.12 h0.1 r270; PIN_NUMBER "C7" at 66.57,38.12 h0.1 r270; PIN_NUMBER "C8" at 66.57,38.62 h0.1 r270; PIN_NUMBER "C9" at 66.57,39.12 h0.1 r270; PIN_NUMBER "D1" at 66.07,35.12 h0.1 r270; PIN_NUMBER "D12" at 66.03,40.62 h0.1 r270; PIN_NUMBER "D13" at 66.03,41.12 h0.1 r270; PIN_NUMBER "D14" at 66.03,41.62 h0.1 r270; PIN_NUMBER "D2" at 66.07,35.62 h0.1 r270; PIN_NUMBER "D3" at 66.07,36.12 h0.1 r270; PIN_NUMBER "E1" at 65.57,35.12 h0.1 r270; PIN_NUMBER "E12" at 65.53,40.62 h0.1 r270; PIN_NUMBER "E13" at 65.53,41.12 h0.1 r270; PIN_NUMBER "E14" at 65.53,41.62 h0.1 r270; PIN_NUMBER "E2" at 65.57,35.62 h0.1 r270; PIN_NUMBER "E3" at 65.57,36.12 h0.1 r270; PIN_NUMBER "F1" at 65.07,35.12 h0.1 r270; PIN_NUMBER "F12" at 65.03,40.62 h0.1 r270; PIN_NUMBER "F13" at 65.03,41.12 h0.1 r270; PIN_NUMBER "F14" at 65.03,41.62 h0.1 r270; PIN_NUMBER "F2" at 65.07,35.62 h0.1 r270; PIN_NUMBER "F3" at 65.07,36.12 h0.1 r270; PIN_NUMBER "G12" at 64.53,40.62 h0.1 r270; PIN_NUMBER "G13" at 64.53,41.12 h0.1 r270; PIN_NUMBER "G14" at 64.53,41.62 h0.1 r270; PIN_NUMBER "H1" at 64.07,35.12 h0.1 r270; PIN_NUMBER "H12" at 64.03,40.62 h0.1 r270; PIN_NUMBER "H13" at 64.03,41.12 h0.1 r270; PIN_NUMBER "H14" at 64.03,41.62 h0.1 r270; PIN_NUMBER "H2" at 64.07,35.62 h0.1 r270; PIN_NUMBER "H3" at 64.07,36.12 h0.1 r270; PIN_NUMBER "J12" at 63.53,40.62 h0.1 r270; PIN_NUMBER "J13" at 63.53,41.12 h0.1 r270; PIN_NUMBER "J14" at 63.53,41.62 h0.1 r270; PIN_NUMBER "K1" at 63.07,35.12 h0.1 r270; PIN_NUMBER "K12" at 63.03,40.62 h0.1 r270; PIN_NUMBER "K13" at 63.03,41.12 h0.1 r270; PIN_NUMBER "K14" at 63.03,41.62 h0.1 r270; PIN_NUMBER "K2" at 63.07,35.62 h0.1 r270; PIN_NUMBER "K3" at 63.07,36.12 h0.1 r270; PIN_NUMBER "L12" at 62.53,40.62 h0.1 r270; PIN_NUMBER "L13" at 62.53,41.12 h0.1 r270; PIN_NUMBER "L14" at 62.53,41.62 h0.1 r270; PIN_NUMBER "M1" at 62.07,35.12 h0.1 r270; PIN_NUMBER "M10" at 62.03,39.62 h0.1 r270; PIN_NUMBER "M11" at 62.03,40.12 h0.1 r270; PIN_NUMBER "M12" at 62.03,40.62 h0.1 r270; PIN_NUMBER "M13" at 62.03,41.12 h0.1 r270; PIN_NUMBER "M14" at 62.03,41.62 h0.1 r270; PIN_NUMBER "M2" at 62.07,35.62 h0.1 r270; PIN_NUMBER "M3" at 62.07,36.12 h0.1 r270; PIN_NUMBER "M7" at 62.07,38.12 h0.1 r270; PIN_NUMBER "M8" at 62.07,38.62 h0.1 r270; PIN_NUMBER "M9" at 62.07,39.12 h0.1 r270; PIN_NUMBER "N10" at 61.53,39.62 h0.1 r270; PIN_NUMBER "N11" at 61.53,40.12 h0.1 r270; PIN_NUMBER "N12" at 61.53,40.62 h0.1 r270; PIN_NUMBER "N13" at 61.53,41.12 h0.1 r270; PIN_NUMBER "N14" at 61.53,41.62 h0.1 r270; PIN_NUMBER "N3" at 61.57,36.12 h0.1 r270; PIN_NUMBER "N6" at 61.57,37.62 h0.1 r270; PIN_NUMBER "N8" at 61.57,38.62 h0.1 r270; PIN_NUMBER "N9" at 61.57,39.12 h0.1 r270; PIN_NUMBER "P1" at 61.07,35.12 h0.1 r270; PIN_NUMBER "P11" at 61.03,40.12 h0.1 r270; PIN_NUMBER "P12" at 61.03,40.62 h0.1 r270; PIN_NUMBER "P13" at 61.03,41.12 h0.1 r270; PIN_NUMBER "P14" at 61.03,41.62 h0.1 r270; PIN_NUMBER "P2" at 61.07,35.62 h0.1 r270; PIN_NUMBER "P8" at 61.07,38.62 h0.1 r270; PIN_NUMBER "P9" at 61.07,39.12 h0.1 r270; PIN_NUMBER "D4" at 66.07,36.62 h0.1 r270; PIN_NUMBER "C4" at 66.57,36.62 h0.1 r270; PIN_NUMBER "E7" at 65.57,38.12 h0.1 r270; PIN_NUMBER "G5" at 64.57,37.12 h0.1 r270; PIN_NUMBER "H10" at 64.03,39.62 h0.1 r270; PIN_NUMBER "K8" at 63.07,38.62 h0.1 r270; PIN_NUMBER "N1" at 61.57,35.12 h0.1 r270; PIN_NUMBER "N2" at 61.57,35.62 h0.1 r270; PIN_NUMBER "N5" at 61.57,37.12 h0.1 r270; PIN_NUMBER "P4" at 61.07,36.62 h0.1 r270; PIN_NUMBER "P6" at 61.07,37.62 h0.1 r270; PIN_NUMBER "F5" at 65.07,37.12 h0.1 r270; PIN_NUMBER "E6" at 65.57,37.62 h0.1 r270; PIN_NUMBER "C6" at 66.57,37.62 h0.1 r270; PIN_NUMBER "M4" at 62.07,36.62 h0.1 r270; PIN_NUMBER "N4" at 61.57,36.62 h0.1 r270; PIN_NUMBER "P3" at 61.07,36.12 h0.1 r270; PIN_NUMBER "J10" at 63.53,39.62 h0.1 r270; PIN_NUMBER "P5" at 61.07,37.12 h0.1 r270; PIN_NUMBER "K9" at 63.07,39.12 h0.1 r270
U19: PIN_NUMBER "7" at 24.307,43.834 h0.2 r270; PIN_NUMBER "8" at 24.303,45.099 h0.2 r270; PIN_NUMBER "5" at 24.284,41.301 h0.2 r270; PIN_NUMBER "3" at 18.774,42.559 h0.2 r270; PIN_NUMBER "6" at 24.308,42.577 h0.2 r270; PIN_NUMBER "4" at 18.778,41.287 h0.2 r270; PIN_NUMBER "1" at 18.802,45.099 h0.2 r270; PIN_NUMBER "2" at 18.783,43.826 h0.2 r270
U20: PIN_NUMBER "3" at 42.69,27.515 h0.2 r270; PIN_NUMBER "6" at 42.69,26.065 h0.2 r270; PIN_NUMBER "4" at 42.19,27.515 h0.2 r270; PIN_NUMBER "2" at 43.19,27.515 h0.2 r270; PIN_NUMBER "1" at 43.69,27.515 h0.2 r270; PIN_NUMBER "9" at 42.94,26.79 h0.2 r180; PIN_NUMBER "8" at 43.69,26.065 h0.2 r270; PIN_NUMBER "7" at 43.19,26.065 h0.2 r270; PIN_NUMBER "5" at 42.19,26.065 h0.2 r270
U22: PIN_NUMBER "21" at 19.89,54.16 h0.2 r90; PIN_NUMBER "22" at 20.39,54.16 h0.2 r90; PIN_NUMBER "16" at 17.33,54.72 h0.2; PIN_NUMBER "3" at 17.41,61.22 h0.2; PIN_NUMBER "4" at 17.41,60.72 h0.2; PIN_NUMBER "12" at 17.33,56.72 h0.2; PIN_NUMBER "20" at 19.39,54.16 h0.2 r90; PIN_NUMBER "60" at 19.89,62.78 h0.2 r90; PIN_NUMBER "61" at 19.39,62.78 h0.2 r90; PIN_NUMBER "41" at 25.95,58.72 h0.2; PIN_NUMBER "50" at 24.89,62.78 h0.2 r90; PIN_NUMBER "63" at 18.39,62.78 h0.2 r90; PIN_NUMBER "62" at 18.89,62.78 h0.2 r90; PIN_NUMBER "48" at 25.95,62.22 h0.2; PIN_NUMBER "38" at 25.95,57.22 h0.2; PIN_NUMBER "15" at 17.33,55.22 h0.2; PIN_NUMBER "11" at 17.33,57.22 h0.2; PIN_NUMBER "18" at 18.39,54.16 h0.2 r90; PIN_NUMBER "17" at 17.89,54.16 h0.2 r90; PIN_NUMBER "28" at 23.39,54.16 h0.2 r90; PIN_NUMBER "29" at 23.89,54.16 h0.2 r90; PIN_NUMBER "30" at 24.39,54.16 h0.2 r90; PIN_NUMBER "31" at 24.89,54.16 h0.2 r90; PIN_NUMBER "32" at 25.39,54.16 h0.2 r90; PIN_NUMBER "23" at 20.89,54.16 h0.2 r90; PIN_NUMBER "24" at 21.39,54.16 h0.2 r90; PIN_NUMBER "26" at 22.39,54.16 h0.2 r90; PIN_NUMBER "25" at 21.89,54.16 h0.2 r90; PIN_NUMBER "56" at 21.89,62.78 h0.2 r90; PIN_NUMBER "53" at 23.39,62.78 h0.2 r90; PIN_NUMBER "52" at 23.89,62.78 h0.2 r90; PIN_NUMBER "55" at 22.39,62.78 h0.2 r90; PIN_NUMBER "51" at 24.39,62.78 h0.2 r90; PIN_NUMBER "5" at 17.41,60.22 h0.2; PIN_NUMBER "57" at 21.39,62.78 h0.2 r90; PIN_NUMBER "10" at 17.33,57.72 h0.2; PIN_NUMBER "49" at 25.39,62.78 h0.2 r90; PIN_NUMBER "64" at 17.89,62.78 h0.2 r90; PIN_NUMBER "54" at 22.89,62.78 h0.2 r90; PIN_NUMBER "6" at 17.41,59.72 h0.2; PIN_NUMBER "1" at 17.41,62.22 h0.2; PIN_NUMBER "2" at 17.41,61.72 h0.2; PIN_NUMBER "58" at 20.89,62.78 h0.2 r90; PIN_NUMBER "59" at 20.39,62.78 h0.2 r90; PIN_NUMBER "8" at 17.41,58.72 h0.2; PIN_NUMBER "9" at 17.41,58.22 h0.2; PIN_NUMBER "7" at 17.41,59.22 h0.2; PIN_NUMBER "65" at 21.64,58.47 h0.2; PIN_NUMBER "44" at 25.95,60.22 h0.2; PIN_NUMBER "34" at 25.95,55.22 h0.2; PIN_NUMBER "40" at 25.95,58.22 h0.2; PIN_NUMBER "39" at 25.95,57.72 h0.2; PIN_NUMBER "46" at 25.95,61.22 h0.2; PIN_NUMBER "33" at 25.95,54.72 h0.2; PIN_NUMBER "19" at 18.89,54.16 h0.2 r90; PIN_NUMBER "27" at 22.89,54.16 h0.2 r90; PIN_NUMBER "47" at 25.95,61.72 h0.2; PIN_NUMBER "13" at 17.33,56.22 h0.2; PIN_NUMBER "14" at 17.33,55.72 h0.2; PIN_NUMBER "43" at 25.95,59.72 h0.2; PIN_NUMBER "42" at 25.95,59.22 h0.2; PIN_NUMBER "37" at 25.95,56.72 h0.2; PIN_NUMBER "36" at 25.95,56.22 h0.2; PIN_NUMBER "35" at 25.95,55.72 h0.2; PIN_NUMBER "45" at 25.95,60.72 h0.2
U23: PIN_NUMBER "6" at 55.833,73.928 h0.2; PIN_NUMBER "5" at 57.109,73.904 h0.2; PIN_NUMBER "3" at 55.851,68.394 h0.2; PIN_NUMBER "2" at 54.585,68.403 h0.2; PIN_NUMBER "1" at 53.311,68.422 h0.2; PIN_NUMBER "4" at 57.123,68.398 h0.2; PIN_NUMBER "8" at 53.311,73.923 h0.2; PIN_NUMBER "7" at 54.576,73.927 h0.2
U25: PIN_NUMBER "11" at 66.324,83.379 h0.2 r90; PIN_NUMBER "5" at 64.724,81.465 h0.2 r180; PIN_NUMBER "6" at 64.724,81.955 h0.2 r180; PIN_NUMBER "17" at 66.194,82.225 h0.2 r180; PIN_NUMBER "16" at 67.665,81.46 h0.2 r180; PIN_NUMBER "1" at 66.965,80.512 h0.2 r90; PIN_NUMBER "15" at 67.655,81.964 h0.2 r180; PIN_NUMBER "14" at 67.679,82.454 h0.2 r180; PIN_NUMBER "8" at 64.729,82.958 h0.2 r180; PIN_NUMBER "7" at 64.724,82.468 h0.2 r180; PIN_NUMBER "10" at 65.825,83.384 h0.2 r90; PIN_NUMBER "13" at 67.655,82.971 h0.2 r180; PIN_NUMBER "12" at 66.833,83.398 h0.2 r90; PIN_NUMBER "3" at 65.985,80.503 h0.2 r90; PIN_NUMBER "4" at 65.486,80.516 h0.2 r90; PIN_NUMBER "2" at 66.484,80.507 h0.2 r90; PIN_NUMBER "9" at 65.481,83.505 h0.2 r90; PIN_NUMBER "9" at 65.481,83.505 h0.2 r90; PIN_NUMBER "2" at 66.484,80.507 h0.2 r90; PIN_NUMBER "4" at 65.486,80.516 h0.2 r90; PIN_NUMBER "3" at 65.985,80.503 h0.2 r90; PIN_NUMBER "12" at 66.833,83.398 h0.2 r90; PIN_NUMBER "13" at 67.655,82.971 h0.2 r180; PIN_NUMBER "10" at 65.825,83.384 h0.2 r90; PIN_NUMBER "7" at 64.724,82.468 h0.2 r180; PIN_NUMBER "8" at 64.729,82.958 h0.2 r180; PIN_NUMBER "14" at 67.679,82.454 h0.2 r180; PIN_NUMBER "15" at 67.655,81.964 h0.2 r180; PIN_NUMBER "1" at 66.965,80.512 h0.2 r90; PIN_NUMBER "16" at 67.665,81.46 h0.2 r180; PIN_NUMBER "17" at 66.194,82.225 h0.2 r180; PIN_NUMBER "6" at 64.724,81.955 h0.2 r180; PIN_NUMBER "5" at 64.724,81.465 h0.2 r180; PIN_NUMBER "11" at 66.324,83.379 h0.2 r90
U26: PIN_NUMBER "6" at 11.95,10.5 h0.2 r180; PIN_NUMBER "1" at 11.95,10.1 h0.2 r180; PIN_NUMBER "3" at 12.75,10.1 h0.2 r180; PIN_NUMBER "5" at 12.35,10.5 h0.2 r180; PIN_NUMBER "2" at 12.35,10.1 h0.2 r180; PIN_NUMBER "4" at 12.75,10.5 h0.2 r180
U27: PIN_NUMBER "14" at 33.27,42.05 h0.2; PIN_NUMBER "16" at 33.27,41.05 h0.2; PIN_NUMBER "32" at 39.07,43.55 h0.2; PIN_NUMBER "27" at 39.07,41.05 h0.2; PIN_NUMBER "29" at 39.07,42.05 h0.2; PIN_NUMBER "30" at 39.07,42.55 h0.2; PIN_NUMBER "25" at 37.82,40.5 h0.2 r270; PIN_NUMBER "1" at 38.4,44.3 h0.2 r270; PIN_NUMBER "22" at 36.32,40.5 h0.2 r270; PIN_NUMBER "23" at 36.82,40.5 h0.2 r270; PIN_NUMBER "20" at 35.32,40.5 h0.2 r270; PIN_NUMBER "19" at 34.82,40.5 h0.2 r270; PIN_NUMBER "26" at 38.32,40.5 h0.2 r270; PIN_NUMBER "18" at 34.32,40.5 h0.2 r270; PIN_NUMBER "24" at 37.32,40.5 h0.2 r270; PIN_NUMBER "31" at 39.07,43.05 h0.2; PIN_NUMBER "11" at 33.27,43.55 h0.2; PIN_NUMBER "4" at 36.9,44.3 h0.2 r270; PIN_NUMBER "5" at 36.4,44.3 h0.2 r270; PIN_NUMBER "34" at 37.7,41.75 h0.2 r270; PIN_NUMBER "36" at 36.17,41.75 h0.2 r270; PIN_NUMBER "38" at 34.64,41.75 h0.2 r270; PIN_NUMBER "35" at 36.17,43.05 h0.2 r270; PIN_NUMBER "33" at 37.7,43.05 h0.2 r270; PIN_NUMBER "2" at 37.9,44.3 h0.2 r270; PIN_NUMBER "10" at 33.82,44.3 h0.2 r270; PIN_NUMBER "37" at 34.64,43.05 h0.2 r270; PIN_NUMBER "12" at 33.27,43.05 h0.2; PIN_NUMBER "8" at 34.9,44.3 h0.2 r270; PIN_NUMBER "7" at 35.4,44.3 h0.2 r270; PIN_NUMBER "28" at 39.07,41.55 h0.2; PIN_NUMBER "13" at 33.27,42.55 h0.2; PIN_NUMBER "15" at 33.27,41.55 h0.2; PIN_NUMBER "17" at 33.82,40.5 h0.2 r270
U28: PIN_NUMBER "2" at 28.416,36.017 h0.2; PIN_NUMBER "5" at 27.471,38.695 h0.2; PIN_NUMBER "4" at 29.346,38.714 h0.2; PIN_NUMBER "3" at 29.355,36.014 h0.2; PIN_NUMBER "1" at 27.469,36.025 h0.2
U29: PIN_NUMBER "9" at 23.3,26.033 h0.2; PIN_NUMBER "3" at 21.7,26.433 h0.2; PIN_NUMBER "8" at 23.3,25.633 h0.2; PIN_NUMBER "6" at 22.3,25.433 h0.2; PIN_NUMBER "7" at 22.7,25.433 h0.2; PIN_NUMBER "5" at 21.7,25.633 h0.2; PIN_NUMBER "4" at 21.7,26.033 h0.2; PIN_NUMBER "2" at 22.3,26.633 h0.2; PIN_NUMBER "1" at 22.7,26.633 h0.2; PIN_NUMBER "10" at 23.245,26.433 h0.2
U30: PIN_NUMBER "1" at 65.096,76.846 h0.2 r270; PIN_NUMBER "2" at 64.425,76.864 h0.2 r270; PIN_NUMBER "3" at 63.782,76.871 h0.2 r270; PIN_NUMBER "6" at 63.789,72.367 h0.2 r270; PIN_NUMBER "7" at 64.428,72.363 h0.2 r270; PIN_NUMBER "8" at 65.093,72.352 h0.2 r270; PIN_NUMBER "5" at 63.125,72.37 h0.2 r270; PIN_NUMBER "4" at 63.121,76.882 h0.2 r270
U31: PIN_NUMBER "11" at 55.25,39.378 h0.2 r270; PIN_NUMBER "15" at 54.732,38.01 h0.2 r180; PIN_NUMBER "14" at 54.732,38.41 h0.2 r180; PIN_NUMBER "13" at 54.732,38.81 h0.2 r180; PIN_NUMBER "12" at 54.85,39.378 h0.2 r270; PIN_NUMBER "17" at 54.732,37.21 h0.2 r180; PIN_NUMBER "16" at 54.732,37.61 h0.2 r180; PIN_NUMBER "3" at 57.049,37.61 h0.2 r180; PIN_NUMBER "4" at 57.049,38.01 h0.2 r180; PIN_NUMBER "1" at 56.999,36.81 h0.2 r180; PIN_NUMBER "2" at 57.049,37.21 h0.2 r180; PIN_NUMBER "5" at 57.049,38.41 h0.2 r180; PIN_NUMBER "6" at 57.049,38.81 h0.2 r180; PIN_NUMBER "8" at 56.53,39.378 h0.2 r270; PIN_NUMBER "21" at 55.65,36.241 h0.2 r270; PIN_NUMBER "18" at 54.732,36.81 h0.2 r180; PIN_NUMBER "20" at 55.25,36.241 h0.2 r270; PIN_NUMBER "23" at 56.45,36.241 h0.2 r270; PIN_NUMBER "22" at 56.05,36.241 h0.2 r270; PIN_NUMBER "19" at 54.85,36.241 h0.2 r270; PIN_NUMBER "9" at 56.13,39.378 h0.2 r270; PIN_NUMBER "10" at 55.65,39.378 h0.2 r270; PIN_NUMBER "7" at 56.93,39.378 h0.2 r270; PIN_NUMBER "24" at 56.85,36.241 h0.2 r270
U32: PIN_NUMBER "1" at 33.89,17.75 h0.2; PIN_NUMBER "7" at 36.94,16.7 h0.2; PIN_NUMBER "4" at 35.44,16.7 h0.2; PIN_NUMBER "11" at 36.36,19.3 h0.2; PIN_NUMBER "14" at 34.86,19.3 h0.2; PIN_NUMBER "9" at 37.49,18.25 h0.2; PIN_NUMBER "12" at 35.86,19.3 h0.2; PIN_NUMBER "6" at 36.44,16.7 h0.2; PIN_NUMBER "3" at 34.94,16.7 h0.2; PIN_NUMBER "5" at 35.94,16.7 h0.2; PIN_NUMBER "2" at 34.44,16.7 h0.2; PIN_NUMBER "17" at 35.71,18.1 h0.2 r90; PIN_NUMBER "8" at 37.49,17.75 h0.2; PIN_NUMBER "15" at 34.36,19.3 h0.2; PIN_NUMBER "16" at 33.81,18.25 h0.2; PIN_NUMBER "13" at 35.36,19.3 h0.2; PIN_NUMBER "10" at 36.86,19.3 h0.2
U33: PIN_NUMBER "9" at 43.31,18.25 h0.2; PIN_NUMBER "11" at 42.18,19.3 h0.2; PIN_NUMBER "10" at 42.68,19.3 h0.2; PIN_NUMBER "12" at 41.68,19.3 h0.2; PIN_NUMBER "14" at 40.68,19.3 h0.2; PIN_NUMBER "13" at 41.18,19.3 h0.2; PIN_NUMBER "16" at 39.63,18.25 h0.2; PIN_NUMBER "15" at 40.18,19.3 h0.2; PIN_NUMBER "17" at 41.53,18.1 h0.2 r90; PIN_NUMBER "8" at 43.31,17.75 h0.2; PIN_NUMBER "6" at 42.26,16.7 h0.2; PIN_NUMBER "3" at 40.76,16.7 h0.2; PIN_NUMBER "5" at 41.76,16.7 h0.2; PIN_NUMBER "2" at 40.26,16.7 h0.2; PIN_NUMBER "7" at 42.76,16.7 h0.2; PIN_NUMBER "4" at 41.26,16.7 h0.2; PIN_NUMBER "1" at 39.71,17.75 h0.2
Y2: PIN_NUMBER "1" at 20.956,69.155 h0.2 r180; PIN_NUMBER "3" at 18.786,67.491 h0.2 r180; PIN_NUMBER "4" at 20.986,67.491 h0.2 r180; PIN_NUMBER "2" at 18.756,69.155 h0.2 r180
Y4: PIN_NUMBER "1" at 54.4,66.5 h0.2 r180; PIN_NUMBER "2" at 53.3,66.5 h0.2 r180
Y5: PIN_NUMBER "1" at 22.395,19.135 h0.2; PIN_NUMBER "3" at 24.045,20.385 h0.2; PIN_NUMBER "2" at 24.045,19.135 h0.2; PIN_NUMBER "4" at 22.395,20.385 h0.2